# Altium PCB Mother_board06.PcbDoc (part 2 of 2)
Units mm, origin at the board's own origin, x right, y up, seen from the top; angles counter-clockwise.
Board outline 169 x 150.57 mm, 2 copper layers (Top Layer, Bottom Layer), stack 1.57 mm thick; 90 components, 81 nets, 394 pads, 249 vias.
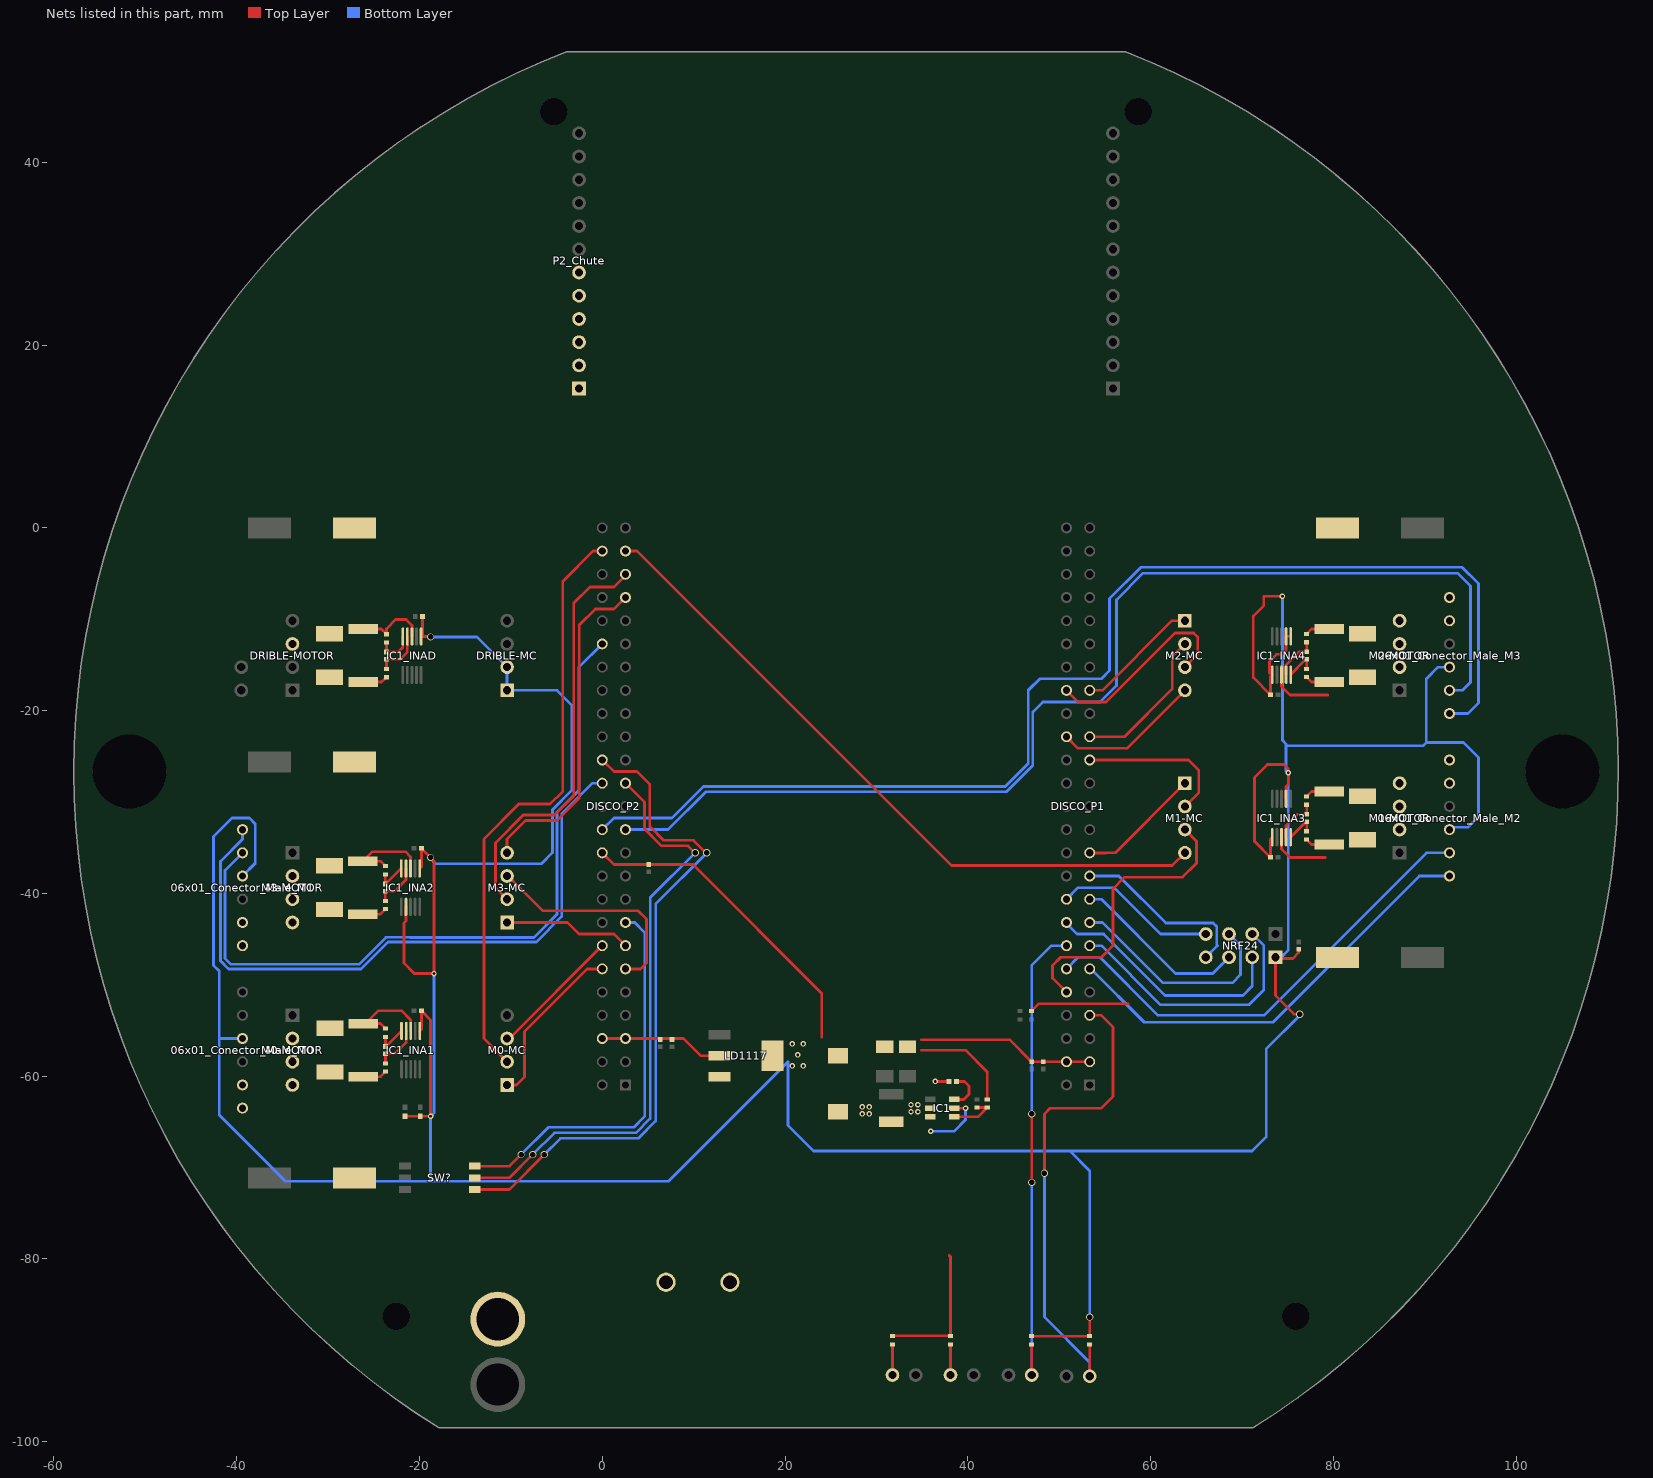
[diagram p2: the nets of this part, all layers, seen from the top]

## Via types
v1: diameter 0.8, hole 0.6, Top Layer to Bottom Layer, 218 vias
v2: diameter 0.6, hole 0.3, Top Layer to Bottom Layer, 31 vias

## Nets (pads, with @x,y where several pads share a name; then routed paths per layer and width w, separated by ;. In a path a pad name is that pad's centre, name@x,y a point inside that pad or via, vN(x,y) a via of type N, cw(c..) or ccw(c..) an arc to the next point about the centre after c; other vN are vias at no path point) (continued)
M0_MAL: DISCO_P2.14 M0-MC.1 | length 14.6
  Top Layer w0.3: M0-MC.1@-10.414,-55.88 -10.16,-55.88 DISCO_P2.14@0,-45.72
M0_MBH: DISCO_P2.48 M0-MC.2 | length 64.9
  Top Layer w0.3: M0-MC.2@-10.414,-58.42 -12.954,-55.88 -12.954,-34.036 -9.144,-30.226 -5.715,-30.226 -4.318,-28.829 -4.318,-5.842 -1.016,-2.54 DISCO_P2.48@0,-2.54
M0_MBL: DISCO_P2.12 M0-MC.3 | length 18.6
  Top Layer w0.3: M0-MC.3@-10.414,-60.96 -9.398,-60.96 -8.509,-60.071 -8.509,-55.118 -1.651,-48.26 DISCO_P2.12@0,-48.26
M1_ENCA: 06x01_Conector_Male_M1.2 DISCO_P2.40 | length 82.9
  Bottom Layer w0.3: 06x01_Conector_Male_M1.2@-39.37,-35.56 -41.283,-37.473 -41.283,-47.109 -40.632,-47.76 -26.613,-47.76 -23.665,-44.812 -21.019,-44.812 -21.012,-44.819 -20.39,-44.819 -20.383,-44.812 -20.269,-44.812 -20.262,-44.819 -7.481,-44.819 -4.945,-42.283 -4.945,-31.121 -2.54,-28.716 -2.54,-15.24 DISCO_P2.40@0,-12.7
M1_ENCB: 06x01_Conector_Male_M1.1 DISCO_P2.28 | length 72.5
  Bottom Layer w0.3: 06x01_Conector_Male_M1.1@-39.37,-33.02 -39.37,-34.075 -41.783,-36.488 -41.783,-47.371 -40.894,-48.26 -26.406,-48.26 -23.458,-45.312 -21.226,-45.312 -21.219,-45.319 -7.219,-45.319 -4.445,-42.545 -4.445,-31.329 -1.056,-27.94 DISCO_P2.28@0,-27.94
M1_MAH: DISCO_P2.43 M3-MC.0 | length 36.5
  Top Layer w0.3: M3-MC.0@-10.414,-35.56 -10.414,-34.042 -8.398,-32.026 -4.969,-32.026 -2.518,-29.575 -2.518,-10.646 -0.762,-8.89 1.27,-8.89 DISCO_P2.43@2.54,-7.62
M1_MAL: DISCO_P2.11 M3-MC.1 | length 24.5
  Top Layer w0.3: M3-MC.1@-10.351,-38.036 -6.477,-41.91 3.937,-41.91 4.826,-42.799 4.826,-47.625 4.191,-48.26 DISCO_P2.11@2.54,-48.26
M1_MBH: DISCO_P2.45 M3-MC.2 | length 45.5
  Top Layer w0.3: M3-MC.2@-10.414,-40.64 -11.684,-39.37 -11.684,-34.463 -8.647,-31.426 -5.218,-31.426 -3.118,-29.326 -3.118,-8.238 -1.357,-6.477 1.27,-6.477 2.54,-5.207 DISCO_P2.45@2.54,-5.08
M1_MBL: DISCO_P2.13 M3-MC.3 | length 14
  Top Layer w0.3: M3-MC.3@-10.414,-43.18 -3.81,-43.18 -2.54,-44.45 1.27,-44.45 DISCO_P2.13@2.54,-45.72
M2_ENCA: 06x01_Conector_Male_M2.2 DISCO_P1.12 | length 52.4
  Bottom Layer w0.3: DISCO_P1.12@50.8,-48.26 52.07,-46.99 54.483,-46.99 60.833,-53.34 72.39,-53.34 90.17,-35.56 06x01_Conector_Male_M2.2@92.71,-35.56
M2_ENCB: 06x01_Conector_Male_M2.1 DISCO_P1.11 | length 48.4
  Bottom Layer w0.3: DISCO_P1.11@53.34,-48.26 53.467,-48.26 59.309,-54.102 73.406,-54.102 89.408,-38.1 06x01_Conector_Male_M2.1@92.71,-38.1
M2_MAH: DISCO_P2.47 M1-MC.0 | length 76
  Top Layer w0.3: DISCO_P2.47@2.54,-2.54 3.81,-2.54 38.227,-36.957 62.357,-36.957 M1-MC.0@63.754,-35.56
M2_MAL: DISCO_P1.10 M1-MC.1 | length 31.8
  Top Layer w0.3: DISCO_P1.10@50.8,-50.8 49.276,-49.276 49.276,-47.879 50.165,-46.99 54.61,-46.99 55.88,-45.72 55.88,-39.497 57.15,-38.227 63.5,-38.227 65.024,-36.703 65.024,-34.29 M1-MC.1@63.754,-33.02
M2_MBH: DISCO_P1.29 M1-MC.2 | length 17
  Top Layer w0.3: DISCO_P1.29@53.34,-25.4 64.135,-25.4 65.278,-26.543 65.278,-28.956 M1-MC.2@63.754,-30.48
M2_MBL: DISCO_P1.21 M1-MC.3 | length 13.6
  Top Layer w0.3: 55.118,-35.56 56.134,-35.56 M1-MC.3@63.754,-27.94
  Top Layer w0.32: DISCO_P1.21@53.34,-35.56 55.118,-35.56
M3_ENCA: 06x01_Conector_Male_M3.2 DISCO_P2.23 | length 126.8
  Bottom Layer w0.3: DISCO_P2.23@2.54,-33.02 7.193,-33.02 11.322,-28.891 44.206,-28.891 47.117,-25.98 47.117,-20.138 48.205,-19.05 54.483,-19.05 56.261,-17.272 56.261,-7.874 59.182,-4.953 93.599,-4.953 94.996,-6.35 94.996,-16.891 94.107,-17.78 06x01_Conector_Male_M3.2@92.71,-17.78
M3_ENCB: 06x01_Conector_Male_M3.1 DISCO_P2.24 | length 134.5
  Bottom Layer w0.3: DISCO_P2.24@0,-33.02 1.27,-31.75 7.614,-31.75 11.073,-28.291 44.099,-28.291 46.617,-25.773 46.617,-17.772 47.879,-16.51 54.61,-16.51 55.499,-15.621 55.499,-7.747 58.928,-4.318 94.107,-4.318 95.885,-6.096 95.885,-19.177 94.742,-20.32 06x01_Conector_Male_M3.1@92.71,-20.32
M3_MAH: DISCO_P1.32 M2-MC.0 | length 16.1
  Top Layer w0.3: DISCO_P1.32@50.8,-22.86 52.07,-24.13 57.404,-24.13 M2-MC.0@63.754,-17.78
M3_MAL: DISCO_P1.36 M2-MC.1 | length 22.1
  Top Layer w0.3: DISCO_P1.36@50.8,-17.78 52.07,-19.05 55.118,-19.05 62.668,-11.5 64.713,-11.5 65.151,-11.938 65.151,-13.843 M2-MC.1@63.754,-15.24
M3_MBH: DISCO_P1.31 M2-MC.2 | length 16.9
  Top Layer w0.3: DISCO_P1.31@53.34,-22.86 57.15,-22.86 62.357,-17.653 62.357,-14.097 M2-MC.2@63.754,-12.7 M2-MC.2@63.754,-12.553
M3_MBL: DISCO_P1.35 M2-MC.3 | length 13.6
  Top Layer w0.3: DISCO_P1.35@53.34,-17.78 54.737,-17.78 62.357,-10.16 M2-MC.3@63.754,-10.16
MA_M0: 06x01_Conector_Male_M0.5 M0-MOTOR.1
MA_M1: 06x01_Conector_Male_M1.5 M3-MOTOR.1
MA_M2: 06x01_Conector_Male_M2.5 M1-MOTOR.1
MA_M3: 06x01_Conector_Male_M3.5 M2-MOTOR.1
MB_M0: 06x01_Conector_Male_M0.6 M0-MOTOR.0
MB_M1: 06x01_Conector_Male_M1.6 M3-MOTOR.0
MB_M2: 06x01_Conector_Male_M2.6 M1-MOTOR.0
MB_M3: 06x01_Conector_Male_M3.6 M2-MOTOR.0
MISO: DISCO_P1.18 NRF24.0 | length 17.9
  Bottom Layer w0.3: DISCO_P1.18@50.8,-40.64 52.07,-39.37 56.007,-39.37 61.087,-44.45 NRF24.0@66.04,-44.45
MOSI: DISCO_P1.17 NRF24.5 | length 19.3
  Bottom Layer w0.3: DISCO_P1.17@53.34,-40.64 54.61,-40.64 62.738,-48.768 66.802,-48.768 NRF24.5@68.58,-46.99
NetBAT_0: BAT.0 SW.0
NetC1_1: C1.1 IC1.6 | length 4.3
  Top Layer w0.3: IC1.6@38.511,-62.55 39.558,-62.55 40.132,-61.976 40.132,-61.087 39.624,-60.579 C1.1@38.754,-60.579
NetC1_2: C1.2 IC1.2 L1.1 | length 1.5
  Top Layer w0.3: v2(36.449,-60.579) C1.2@37.954,-60.579
  other v2: 28.448,-64.135 29.21,-64.135 33.782,-63.881 34.544,-63.881 28.448,-63.373 29.21,-63.373 33.782,-63.119 34.544,-63.119
NetC1_INA1_1: C1_INA1.1 IC1_INA1.10 R2_INA1.1 | length 3.5
  Top Layer w0.3: R2_INA1.1@-23.717,-55.696 C1_INA1.1@-23.717,-56.75 -23.673,-56.75 IC1_INA1.10@-21.973,-55.05
NetC1_INA1_2: C1_INA1.2 IC1_INA1.9 R3_INA1.1 | length 5.1
  Top Layer w0.3: R3_INA1.1@-23.717,-58.604 C1_INA1.2@-23.717,-57.55 -22.688,-57.55 -21.463,-56.324 IC1_INA1.9@-21.463,-55.05
NetC1_INA2_1: C1_INA2.1 IC1_INA2.10 R2_INA2.1 | length 3.5
  Top Layer w0.3: R2_INA2.1@-23.742,-37.916 C1_INA2.1@-23.742,-38.97 -22.042,-37.27 IC1_INA2.10@-21.997,-37.27
NetC1_INA2_2: 0R.1 C1_INA2.2 IC1_INA2.9 | length 5.1
  Top Layer w0.3: 0R.1@-23.742,-40.824 C1_INA2.2@-23.742,-39.77 -22.752,-39.77 -21.487,-38.505 IC1_INA2.9@-21.487,-37.27
NetC1_INA3_1: C1_INA3.1 IC1_INA3.10 R2_INA3.1 | length 3.5
  Top Layer w0.3: IC1_INA3.10@75.337,-33.85 77.037,-32.15 C1_INA3.1@77.082,-32.15 R2_INA3.1@77.082,-33.205
NetC1_INA3_2: C1_INA3.2 IC1_INA3.9 R3_INA3.1 | length 5.1
  Top Layer w0.3: IC1_INA3.9@74.827,-33.85 74.827,-32.576 76.053,-31.35 C1_INA3.2@77.082,-31.35 R3_INA3.1@77.082,-30.295
NetC1_INA4_1: C1_INA4.1 IC1_INA4.10 R2_INA4.1 | length 3.5
  Top Layer w0.3: IC1_INA4.10@75.327,-16.07 77.027,-14.37 C1_INA4.1@77.082,-14.37 R2_INA4.1@77.082,-15.425
NetC1_INA4_2: C1_INA4.2 IC1_INA4.9 R3_INA4.1 | length 5
  Top Layer w0.3: IC1_INA4.9@74.827,-16.07 74.827,-15.013 76.27,-13.57 C1_INA4.2@77.082,-13.57 R3_INA4.1@77.082,-12.516
NetC1_INAD_1: C1_INAD.1 IC1_INAD.10 R2_INAD.1 | length 4.2
  Top Layer w0.3: R2_INAD.1@-23.622,-12.536 C1_INAD.1@-23.622,-13.59 -22.353,-13.59 -21.828,-13.065 IC1_INAD.10@-21.828,-11.891
NetC1_INAD_2: C1_INAD.2 IC1_INAD.9 R3_INAD.1 | length 5.4
  Top Layer w0.3: R3_INAD.1@-23.622,-15.445 C1_INAD.2@-23.622,-14.39 -22.137,-14.39 -21.328,-13.581 IC1_INAD.9@-21.328,-11.891
NetC1_M0_2: FM_M0.1 M0-MOTOR.2
NetC1_M1_2: FM_M1.1 M3-MOTOR.2
NetC1_M2_2: FM_M2.1 M1-MOTOR.2
NetC1_M3_2: FM_M3.1 M2-MOTOR.2
NetCON_DM_1: DF.1 DRIBLE-MOTOR.1
NetDF_2: DF.2 R1_INAD.1 R3_INAD.2 | length 2.8
  Top Layer w0.3: R1_INAD.1@-26.162,-16.87 -24.147,-16.87 R3_INAD.2@-23.622,-16.345
NetFM_M0_2: FM_M0.2 R1_INA1.1 R3_INA1.2 | length 2.7
  Top Layer w0.3: R1_INA1.1@-26.171,-60.05 -24.263,-60.05 R3_INA1.2@-23.717,-59.504
NetFM_M1_2: 0R.2 FM_M1.2 R1_INA2.1 | length 2.7
  Top Layer w0.3: R1_INA2.1@-26.196,-42.27 -24.287,-42.27 0R.2@-23.742,-41.724
NetFM_M2_2: FM_M2.2 R1_INA3.1 R3_INA3.2 | length 2.7
  Top Layer w0.3: R3_INA3.2@77.082,-29.395 77.627,-28.85 R1_INA3.1@79.536,-28.85
NetFM_M3_2: FM_M3.2 R1_INA4.1 R3_INA4.2 | length 2.7
  Top Layer w0.3: R3_INA4.2@77.082,-11.616 77.627,-11.07 R1_INA4.1@79.536,-11.07
NetIC1_4: IC1.4 R1.1 R2.2 | length 5.1
  Top Layer w0.3: IC1.4@38.511,-64.45 41.117,-64.45 R1.1@42.125,-63.442 R2.2@41.021,-63.442
NetLED1_2: LED1.2 RL1.2 | length 3.3
  Top Layer w0.3: LED1.2@31.75,-92.71 RL1.2@31.75,-89.4
NetLED2_2: LED2.2 RL2.2 | length 3.3
  Top Layer w0.3: LED2.2@38.1,-92.71 RL2.2@38.1,-89.4
NRF_CE: DISCO_P1.13 NRF24.2 | length 29
  Bottom Layer w0.3: DISCO_P1.13@53.34,-45.72 54.61,-45.72 61.087,-52.197 70.739,-52.197 72.39,-50.546 72.39,-45.72 NRF24.2@71.12,-44.45
NRF_CS#: DISCO_P1.16 NRF24.6 | length 27.3
  Bottom Layer w0.3: DISCO_P1.16@50.8,-43.18 50.8,-43.307 51.943,-44.45 54.864,-44.45 61.595,-51.181 70.104,-51.181 71.12,-50.165 NRF24.6@71.12,-46.99
NRF_IRQ: DISCO_P1.19 NRF24.4 | length 20.1
  Bottom Layer w0.3: DISCO_P1.19@53.34,-38.1 56.515,-38.1 61.665,-43.25 66.848,-43.25 67.24,-43.642 67.24,-45.65 67.31,-45.72 NRF24.4@66.04,-46.99
S1: DISCO_P1.7 RS1.1 SEN1.2 | length 53.2
  Top Layer w0.3: v1(48.387,-70.612) 48.387,-64.135 49.022,-63.5 54.61,-63.5 55.88,-62.23 55.88,-54.61 54.61,-53.34 DISCO_P1.7@53.34,-53.34 ; SEN1.2@53.34,-92.837 RS1.1@53.34,-89.35
  Bottom Layer w0.3: v1(48.387,-70.612) 48.387,-86.36 53.34,-91.313 SEN1.2@53.34,-92.837
S2: DISCO_P1.14 RS2.1 SEN2.2 | length 52.9
  Top Layer w0.3: SEN2.2@46.99,-92.71 RS2.1@46.99,-89.35 ; v1(46.99,-71.628) v1@46.99,-64.262
  Bottom Layer w0.3: SEN2.2@46.99,-92.71 46.863,-92.583 46.99,-92.456 v1(46.99,-71.628) ; v1(46.99,-64.135) 46.99,-47.879 49.149,-45.72 DISCO_P1.14@50.8,-45.72
SCK: DISCO_P1.15 NRF24.1 | length 24.6
  Bottom Layer w0.3: DISCO_P1.15@53.34,-43.18 54.737,-43.18 61.341,-49.784 68.961,-49.784 69.85,-48.895 69.85,-45.72 NRF24.1@68.58,-44.45
SW1: DISCO_P2.15 SW?.6 | length 43.6
  Top Layer w0.3: SW?.6@-13.97,-69.85 -10.16,-69.85 v1(-8.89,-68.58)
  Bottom Layer w0.3: v1(-8.89,-68.58) -5.912,-65.602 3.44,-65.602 4.642,-64.4 4.642,-44.266 3.556,-43.18 DISCO_P2.15@2.54,-43.18
SW2: DISCO_P2.27 SW?.5 | length 65.5
  Top Layer w0.3: SW?.5@-13.97,-71.12 -10.16,-71.12 v1(-7.62,-68.58) ; DISCO_P2.27@2.54,-27.94 4.607,-30.007 4.607,-32.928 6.477,-34.798 9.398,-34.798 v1(10.16,-35.56)
  Bottom Layer w0.3: v1(-7.62,-68.58) -5.242,-66.202 3.688,-66.202 5.242,-64.648 5.242,-40.478 v1(10.16,-35.56)
SW3: DISCO_P2.30 SW?.4 | length 72.9
  Top Layer w0.3: SW?.4@-13.97,-72.39 -10.16,-72.39 v1(-6.35,-68.58) ; DISCO_P2.30@0,-25.4 1.27,-26.67 3.81,-26.67 5.207,-28.067 5.207,-32.679 6.726,-34.198 10,-34.198 11.362,-35.56 v1(11.43,-35.56)
  Bottom Layer w0.3: v1(-6.35,-68.58) -4.572,-66.802 3.937,-66.802 5.842,-64.897 5.842,-41.148 v1(11.43,-35.56)
"V+ BAT_INA1": C4.2 CD.1 CM1_M0.1 CM1_M1.1 CM1_M2.1 CM1_M3.1 IC1.3 IC1.5 IC1_INA1.8 IC1_INA2.8 IC1_INA3.8 IC1_INA4.8 IC1_INAD.8 LD1117.3 P2_Chute.1 P2_Chute.2 P2_Chute.3 P2_Chute.4 P2_Chute.5 P2_Chute.6 R1_INA1.2 R1_INA2.2 R1_INA3.2 R1_INA4.2 R1_INAD.2 R2_INA1.2 R2_INA2.2 R2_INA3.2 R2_INA4.2 R2_INAD.2 R3.2 RL1.1 RL2.1 SW.1 | length 78.9
  Top Layer w0.3: R1_INAD.2@-26.162,-11.07 -24.188,-11.07 R2_INAD.2@-23.622,-11.636 -23.622,-11.049 -22.606,-10.033 -21.463,-10.033 -20.828,-10.668 IC1_INAD.8@-20.828,-11.891 ; R2_INA2.2@-23.742,-37.016 -24.287,-36.47 R1_INA2.2@-26.196,-36.47 -25.159,-35.433 -21.55,-35.433 -20.987,-35.996 IC1_INA2.8@-20.987,-37.27 ; R2_INA1.2@-23.717,-54.796 -24.263,-54.25 -25.908,-54.25 -24.49,-52.832 -21.971,-52.832 -20.963,-53.84 IC1_INA1.8@-20.963,-55.05 ; RL1.1@31.75,-88.4 38.1,-88.4 38.1,-79.756 37.973,-79.629 ; IC1.5@38.511,-63.5 v2(39.751,-63.5) ; R3.2@46.99,-52.89 47.81,-52.07 57.531,-52.07 ; IC1_INA3.8@74.327,-33.85 74.327,-35.124 75.271,-36.068 79.121,-36.068 ; IC1_INA4.8@74.327,-16.07 74.327,-17.344 75.271,-18.288 79.375,-18.288 ; R2_INA3.2@77.082,-34.105 77.627,-34.65 R1_INA3.2@79.536,-34.65 ; R2_INA4.2@77.082,-16.325 77.627,-16.87 R1_INA4.2@79.536,-16.87
  Bottom Layer w0.3: v2(35.941,-66.04) 38.481,-66.04 39.751,-64.77 v2(39.751,-63.5)
VCC: 06x01_Conector_Male_M0.3 06x01_Conector_Male_M1.3 06x01_Conector_Male_M2.3 06x01_Conector_Male_M3.3 C2.2 C2_INA1.1 C2_INA2.1 C2_INA3.1 C2_INA4.1 C2_INAD.1 C3.2 DISCO_P1.3 DISCO_P1.4 DISCO_P2.5 DISCO_P2.6 DISCO_P2.22 DRIBLE-MC.2 DRIBLE-MC.3 IC1_INA1.6 IC1_INA2.2 IC1_INA2.6 IC1_INA3.2 IC1_INA3.6 IC1_INA4.1 IC1_INA4.2 IC1_INA4.6 IC1_INAD.6 L1.2 LD1117.2 LD1117.4 MC_C1.2 MC_C2.2 MC_C3.1 MC_C4.2 MC_C5.2 MC_R1.2 MC_R2.2 NRF24.7 NRF_C1.1 R1.2 RS1.2 RS2.2 | length 555.2
  Top Layer w0.3: MC_R2.2@-21.59,-64.381 MC_R1.2@-19.939,-64.381 -18.804,-64.381 v2(-18.796,-64.389) -18.796,-53.843 C2_INA1.1@-19.793,-52.846 -19.793,-54.88 IC1_INA1.6@-19.963,-55.05 ; IC1_INA2.2@-21.487,-41.47 -21.487,-43.033 -21.705,-43.25 -21.705,-47.637 -20.574,-48.768 v2(-18.415,-48.768) -18.415,-36.444 v1(-18.791,-36.068) C2_INA2.1@-19.793,-35.066 -19.793,-37.086 IC1_INA2.6@-19.977,-37.27 ; C2_INAD.1@-19.666,-9.687 -19.666,-11.729 IC1_INAD.6@-19.828,-11.891 v1@-19.097,-11.891 ; DISCO_P2.6@0,-55.88 DISCO_P2.5@2.54,-55.88 8.89,-55.88 10.781,-57.771 LD1117.2@12.827,-57.771 ; DISCO_P2.22@0,-35.56 1.27,-36.83 MC_C1.2@5.08,-36.83 9.906,-36.83 24.003,-50.927 24.003,-55.753 ; 34.925,-57.15 39.751,-57.15 42.125,-59.524 R1.2@42.125,-62.542 ; 34.925,-56.007 44.577,-56.007 MC_C3.1@46.99,-58.42 MC_C2.2@48.26,-58.42 DISCO_P1.4@50.8,-58.42 DISCO_P1.3@53.34,-58.42 ; RS2.2@46.99,-88.45 RS1.2@53.34,-88.45 v1(53.34,-86.36) ; IC1_INA4.6@73.22,-16.07 73.017,-15.867 73.017,-14.613 73.787,-13.843 74.422,-13.843 74.827,-13.438 IC1_INA4.2@74.827,-11.87 IC1_INA4.1@75.327,-11.87 ; IC1_INA3.6@73.327,-33.85 73.133,-34.044 C2_INA3.1@73.133,-36.054 71.374,-34.295 71.374,-27.305 72.771,-25.908 74.579,-25.908 75.072,-26.401 75.057,-26.416 v2(75.057,-26.797) 75.057,-28.037 75.072,-28.052 74.827,-28.297 IC1_INA3.2@74.827,-29.65 ; IC1_INA4.6@73.327,-16.07 73.133,-16.264 C2_INA4.1@73.133,-18.274 71.247,-16.388 71.247,-9.652 72.39,-8.509 72.39,-7.493 v2(74.422,-7.493) ; NRF_C1.1@76.2,-46.12 76.2,-46.482 75.565,-47.117 73.787,-47.117 NRF24.7@73.66,-46.99 73.66,-51.181 75.692,-53.213 v1(76.327,-53.213)
  Bottom Layer w0.3: 06x01_Conector_Male_M0.3@-39.37,-55.88 -41.91,-55.88 ; 06x01_Conector_Male_M1.3@-39.37,-38.1 -37.973,-36.703 -37.973,-32.385 -38.608,-31.75 -40.513,-31.75 -42.545,-33.782 -42.545,-47.879 -41.91,-48.514 -41.91,-55.88 ; v1(-18.796,-11.938) -13.716,-11.938 DRIBLE-MC.2@-10.414,-15.24 DRIBLE-MC.3@-10.414,-17.78 -4.953,-17.78 -3.302,-19.431 -3.302,-28.702 -5.445,-30.845 -5.445,-35.544 -6.661,-36.76 -18.231,-36.76 -18.791,-36.2 v1(-18.791,-36.068) ; v2(-18.415,-48.768) -18.415,-64.008 v2(-18.796,-64.389) -18.796,-71.501 ; v1(53.34,-86.36) 53.34,-70.358 51.181,-68.199 ; NRF24.7@73.66,-46.99 74.295,-46.99 75.057,-46.228 v2(75.057,-26.797) 74.827,-26.567 74.827,-23.854 ; v2(74.422,-7.493) 74.422,-23.243 74.827,-23.649 74.827,-23.854 ; v1@76.327,-53.34 72.644,-57.023 72.644,-66.675 71.12,-68.199 51.181,-68.199 ; 06x01_Conector_Male_M2.3@92.71,-33.02 92.964,-32.766 94.742,-32.766 95.885,-31.623 95.885,-25.146 94.234,-23.495 90.17,-23.495 ; 06x01_Conector_Male_M3.3@92.71,-15.24 91.44,-15.24 90.17,-16.51 90.17,-23.495 ; -41.91,-55.88 -41.91,-64.262 -34.671,-71.501 -18.796,-71.501 ; -18.796,-71.501 7.239,-71.501 20.32,-58.42 20.32,-65.405 23.114,-68.199 51.181,-68.199 ; 74.827,-23.854 89.811,-23.854 90.17,-23.495
  other v2: 20.781,-58.877 21.981,-58.877 21.381,-57.677 20.781,-56.477 21.981,-56.477
pads on no net: DISCO_P1.6 DISCO_P1.9 DISCO_P1.20 DISCO_P1.24 DISCO_P1.25 DISCO_P1.26 DISCO_P1.27 DISCO_P1.28 DISCO_P1.30 DISCO_P1.33 DISCO_P1.34 DISCO_P1.37 DISCO_P1.38 DISCO_P1.41 DISCO_P1.43 DISCO_P1.44 DISCO_P1.45 DISCO_P1.46 DISCO_P1.47 DISCO_P1.48 DISCO_P2.3 DISCO_P2.4 DISCO_P2.7 DISCO_P2.8 DISCO_P2.9 DISCO_P2.10 DISCO_P2.16 DISCO_P2.17 DISCO_P2.18 DISCO_P2.21 DISCO_P2.29 DISCO_P2.31 DISCO_P2.32 DISCO_P2.33 DISCO_P2.34 DISCO_P2.35 DISCO_P2.36 DISCO_P2.37 DISCO_P2.38 DISCO_P2.39 DISCO_P2.41 DISCO_P2.42 DISCO_P2.44 IC1_INA1.3 IC1_INA2.3 IC1_INA3.3 IC1_INA4.3 IC1_INAD.3

## Polygon pours and split planes (outlines as drawn)
GND on Top Layer "Top Layer-No Net" (solid, remove dead copper, pour order 123): 142.319,59.413 136.604,53.698 136.604,-109.37 -75.994,-109.37 -82.598,-102.766 -70.533,-90.701 -70.533,56.365
VCC on Top Layer "Top Layer-No Net" (solid, remove dead copper, pour order 76): 35.179,-55.372 35.179,-58.42 27.94,-58.42 27.94,-59.69 16.383,-59.69 16.383,-58.801 11.049,-58.801 11.049,-56.388 16.383,-56.388 16.383,-55.372
"V+ BAT_INA1" on Top Layer "Top Layer-No Net" (solid, remove dead copper, pour order 68): 36.83,-63.944 29.972,-63.945 29.972,-68.89 36.83,-68.89
"V+ BAT_INA1" on Top Layer "Top Layer-No Net" (solid, remove dead copper, pour order 44): 62.357,-41.91 68.478,-41.91 69.875,-40.64 77.47,-40.64 77.47,-47.74 78.117,-48.387 83.82,-48.387 83.82,-45.722 83.691,-45.593 81.672,-45.593 81.28,-45.2 81.28,-41.392 81.278,-33.782 77.94,-33.782 77.94,-37.298 77.179,-38.1 70.782,-38.1 69.85,-37.084 69.834,-37.084 69.834,-24.143 71.117,-22.86 78.738,-22.86 81.278,-20.32 81.278,-16.612 77.468,-16.612 77.468,-19.433 76.543,-20.358 69.85,-20.411 69.85,-2.546 71.126,-1.27 83.818,-1.27 83.818,1.27 68.056,1.27 66.038,-0.748 66.038,-38.1 64.77,-39.368 58.42,-39.37 57.15,-40.64 57.099,-68.656 48.284,-77.47 35.558,-77.47 35.558,-68.89 31.748,-68.89 31.748,-77.47 16.508,-77.47 16.508,-65.149 14.859,-63.5 14.859,-58.928 10.795,-58.928 10.795,-63.5 -12.702,-63.5 -13.972,-62.23 -13.972,-30.48 -13.972,8.89 -12.702,10.16 -0.002,10.16 -0.002,29.21 -5.082,29.21 -5.082,15.35 -6.477,13.97 -15.242,13.97 -17.782,11.43 -17.79,1.27 -21.59,1.27 -29.276,1.27 -29.276,-1.27 -19.05,-1.27 -17.774,-2.546 -17.772,-3.802 -19.05,-5.08 -24.13,-5.08 -27.94,-8.89 -27.94,-11.522 -24.132,-11.522 -24.132,-8.763 -22.989,-7.62 -19.05,-7.62 -17.782,-8.89 -17.782,-24.13 -30.482,-24.13 -30.482,-27.178 -18.796,-27.178 -17.782,-28.192 -17.782,-29.21 -19.052,-30.48 -24.132,-30.48 -26.672,-33.02 -27.942,-33.02 -27.942,-34.29 -27.942,-38.152 -24.132,-38.1 -24.132,-34.342 -22.81,-33.02 -19.052,-33.02 -17.782,-34.342 -17.782,-49.53 -19.052,-49.53 -24.132,-49.53 -26.672,-52.07 -27.942,-52.07 -27.942,-53.34 -27.942,-55.88 -24.132,-55.88 -24.132,-53.286 -22.916,-52.07 -19.052,-52.07 -17.782,-53.34 -17.782,-64.264 -19.558,-66.04 -27.94,-66.04 -30.482,-68.582 -30.482,-72.39 -24.132,-72.39 -24.132,-70.36 -22.817,-69.045 -15.239,-69.045 -13.504,-67.31 10.16,-67.31 11.429,-68.579 11.428,-85.09 16.508,-85.09 16.508,-81.28 50.881,-81.28 60.96,-71.167 60.96,-44.45 60.96,-43.307
NetFM_M2_2 on Top Layer "Top Layer-No Net" (solid, remove dead copper, pour order 120): 85.09,-30.48 85.09,-27.94 77.597,-27.94 77.597,-29.718 80.391,-29.718 80.645,-29.718 81.407,-30.48
NetFM_M3_2 on Top Layer "Top Layer-No Net" (solid, remove dead copper, pour order 122): 85.09,-12.7 85.09,-10.16 77.597,-10.16 77.597,-11.938 80.391,-11.938 80.645,-11.938 81.407,-12.7
NetBAT_0 on Top Layer "Top Layer-No Net" (solid, remove dead copper, pour order 64): 10.16,-80.137 10.16,-85.09 -2.54,-85.09 -7.62,-90.17 -15.24,-90.17 -15.24,-80.137
GND on Top Layer "Top Layer-No Net" (solid, remove dead copper, pour order 66): 36.83,-62.992 32.936,-62.992 32.936,-63.5 29.337,-63.5 29.337,-58.674 36.83,-58.674
NetFM_M0_2 on Top Layer "Top Layer-No Net" (solid, remove dead copper, pour order 34): -31.75,-58.166 -24.263,-58.166 -24.263,-61.214 -31.75,-61.214
NetC1_2 on Top Layer "Top Layer-No Net" (solid, remove dead copper, pour order 27): 36.83,-62.738 36.83,-64.262 33.401,-64.262 33.401,-62.738
NetC1_2 on Top Layer "Top Layer-No Net" (solid, remove dead copper, pour order 26): 29.845,-62.611 29.845,-65.151 24.257,-65.151 24.257,-62.611
MA_M2 on Top Layer "Top Layer-No Net" (solid, remove dead copper, pour order 21): 93.98,-26.67 91.44,-26.67 88.9,-29.21 86.106,-29.21 86.106,-31.75 88.9,-31.75 91.44,-29.21 93.98,-29.21
MB_M2 on Top Layer "Top Layer-No Net" (solid, remove dead copper, pour order 22): 93.98,-24.13 91.44,-24.13 88.9,-26.67 86.106,-26.67 86.106,-29.21 88.9,-29.21 91.44,-26.67 93.98,-26.67
MA_M3 on Top Layer "Top Layer-No Net" (solid, remove dead copper, pour order 23): 93.98,-8.89 91.44,-8.89 88.9,-11.43 86.106,-11.43 86.106,-13.97 88.9,-13.97 91.44,-11.43 93.98,-11.43
MB_M3 on Top Layer "Top Layer-No Net" (solid, remove dead copper, pour order 24): 93.98,-6.35 91.44,-6.35 88.9,-8.89 86.106,-8.89 86.106,-11.43 88.9,-11.43 91.44,-8.89 93.98,-8.89
MA_M1 on Top Layer "Top Layer-No Net" (solid, remove dead copper, pour order 13): -40.64,-44.45 -40.64,-41.91 -38.1,-41.91 -35.56,-39.37 -32.639,-39.37 -32.639,-41.91 -35.56,-41.91 -38.1,-44.45
MB_M1 on Top Layer "Top Layer-No Net" (solid, remove dead copper, pour order 12): -40.64,-46.99 -40.64,-44.45 -38.1,-44.45 -35.56,-41.91 -32.639,-41.91 -32.639,-44.45 -35.56,-44.45 -38.1,-46.99
MA_M0 on Top Layer "Top Layer-No Net" (solid, remove dead copper, pour order 11): -40.64,-62.23 -40.64,-59.69 -38.1,-59.69 -35.56,-57.15 -32.639,-57.15 -32.639,-59.69 -35.56,-59.69 -38.1,-62.23
MB_M0 on Top Layer "Top Layer-No Net" (solid, remove dead copper, pour order 10): -40.64,-64.77 -40.64,-62.23 -38.1,-62.23 -35.56,-59.69 -32.639,-59.69 -32.639,-62.23 -35.56,-62.23 -38.1,-64.77
NetC1_M1_2 on Top Layer "Top Layer-No Net" (solid, remove dead copper, pour order 14): -35.56,-36.83 -35.56,-39.37 -33.02,-39.37 -32.639,-38.989 -31.75,-38.1 -28.194,-38.1 -28.194,-35.56 -31.75,-35.56 -33.02,-36.83
NetC1_M0_2 on Top Layer "Top Layer-No Net" (solid, remove dead copper, pour order 15): -35.56,-54.61 -35.56,-57.15 -33.02,-57.15 -32.639,-56.769 -31.75,-55.88 -28.194,-55.88 -28.194,-53.34 -31.75,-53.34 -33.02,-54.61
NetC1_M2_2 on Top Layer "Top Layer-No Net" (solid, remove dead copper, pour order 20): 88.9,-31.75 88.9,-34.29 86.36,-34.29 85.09,-35.56 81.407,-35.56 81.407,-33.02 85.09,-33.02 86.36,-31.75
NetC1_M3_2 on Top Layer "Top Layer-No Net" (solid, remove dead copper, pour order 25): 88.9,-13.97 88.9,-16.51 85.852,-16.51 84.582,-17.78 81.407,-17.78 81.407,-15.24 85.09,-15.24 86.36,-13.97
NetCON_DM_1 on Top Layer "Top Layer-No Net" (solid, remove dead copper, pour order 1): -28.575,-10.16 -31.75,-10.16 -33.02,-11.43 -35.179,-11.43 -35.179,-13.97 -33.02,-13.97 -31.75,-12.7 -28.575,-12.7
DB on Top Layer "Top Layer-No Net" (solid, remove dead copper, pour order 2): -40.64,-19.05 -33.02,-19.05 -33.02,-16.51 -40.64,-16.51
DA on Top Layer "Top Layer-No Net" (solid, remove dead copper, pour order 3): -40.64,-16.51 -33.02,-16.51 -33.02,-13.97 -40.64,-13.97
NetFM_M1_2 on Top Layer "Top Layer-No Net" (solid, remove dead copper, pour order 114): -24.257,-41.402 -24.257,-43.18 -31.75,-43.18 -31.75,-40.64 -28.194,-40.64 -27.432,-41.402
NetFM_M0_2 on Top Layer "Top Layer-No Net" (solid, remove dead copper, pour order 118): -24.232,-59.182 -24.232,-60.96 -31.725,-60.96 -31.725,-58.42 -28.169,-58.42 -27.407,-59.182
NetDF_2 on Top Layer "Top Layer-No Net" (solid, remove dead copper, pour order 0): -31.716,-15.24 -31.716,-17.78 -24.223,-17.78 -24.223,-16.002 -27.017,-16.002 -27.271,-16.002 -28.033,-15.24
MA_M3 on Bottom Layer "Top Layer-No Net" (solid, remove dead copper, pour order 17): 93.98,-8.89 91.44,-8.89 88.9,-11.43 86.106,-11.43 86.106,-13.97 88.9,-13.97 91.44,-11.43 93.98,-11.43
MB_M3 on Bottom Layer "Top Layer-No Net" (solid, remove dead copper, pour order 16): 93.98,-6.35 91.44,-6.35 88.9,-8.89 86.106,-8.89 86.106,-11.43 88.9,-11.43 91.44,-8.89 93.98,-8.89
MA_M2 on Bottom Layer "Top Layer-No Net" (solid, remove dead copper, pour order 19): 93.98,-26.67 91.44,-26.67 88.9,-29.21 86.106,-29.21 86.106,-31.75 88.9,-31.75 91.44,-29.21 93.98,-29.21
MB_M2 on Bottom Layer "Top Layer-No Net" (solid, remove dead copper, pour order 18): 93.98,-24.13 91.44,-24.13 88.9,-26.67 86.106,-26.67 86.106,-29.21 88.9,-29.21 91.44,-26.67 93.98,-26.67
MB_M1 on Bottom Layer "Top Layer-No Net" (solid, remove dead copper, pour order 7): -40.64,-46.99 -40.64,-44.45 -38.1,-44.45 -35.56,-41.91 -32.639,-41.91 -32.639,-44.45 -35.56,-44.45 -38.1,-46.99
DA on Bottom Layer "Top Layer-No Net" (solid, remove dead copper, pour order 5): -40.64,-13.972 -33.02,-13.972 -33.02,-16.512 -40.64,-16.512
GND on Bottom Layer "Top Layer-No Net" (solid, remove dead copper, pour order 112): 145.034,64.008 145.034,-112.522 145.288,-112.776 140.335,-117.729 -77.216,-117.729 -77.216,50.038 -67.818,59.436
NetBAT_0 on Bottom Layer "Top Layer-No Net" (solid, remove dead copper, pour order 28): 10.16,-80.01 10.16,-85.09 2.54,-85.09 -2.54,-85.09 -7.62,-90.17 -15.24,-90.17 -15.24,-82.55 -15.24,-80.01
NetC1_2 on Bottom Layer "Top Layer-No Net" (solid, remove dead copper, pour order 70): 37.211,-59.69 37.211,-61.341 35.306,-61.341 35.306,-64.559 27.94,-64.559 27.94,-62.992 33.401,-62.992 33.401,-59.69 37.084,-59.69
VCC on Bottom Layer "Top Layer-No Net" (solid, remove dead copper, pour order 80): 22.86,-54.61 19.05,-54.61 19.05,-60.96 22.86,-60.96
MA_M1 on Bottom Layer "Top Layer-No Net" (solid, remove dead copper, pour order 6): -40.64,-44.45 -40.64,-41.91 -38.1,-41.91 -35.56,-39.37 -32.639,-39.37 -32.639,-41.91 -35.56,-41.91 -38.1,-44.45
MA_M0 on Bottom Layer "Top Layer-No Net" (solid, remove dead copper, pour order 8): -40.64,-62.23 -40.64,-59.69 -38.1,-59.69 -35.56,-57.15 -32.639,-57.15 -32.639,-59.69 -35.56,-59.69 -38.1,-62.23
MB_M0 on Bottom Layer "Top Layer-No Net" (solid, remove dead copper, pour order 9): -40.64,-64.77 -40.64,-62.23 -38.1,-62.23 -35.56,-59.69 -32.639,-59.69 -32.639,-62.23 -35.56,-62.23 -38.1,-64.77
DB on Bottom Layer "Top Layer-No Net" (solid, remove dead copper, pour order 4): -40.64,-19.05 -33.02,-19.05 -33.02,-16.51 -40.64,-16.51

## Keep-outs
Keep-Out Layer:
  the board outline again, w0.05

## Silkscreen, mask and mechanical layers (free items; w line width, h text height)
Top Overlay:
  text "ROBOIME2017" at 23.876,0.762 h4.5 r270
  text "100nF" at 5.715,-36.449 h1.2 r270
  text "100nF" at 46.355,-57.785 h1.2 r270
  text "100nF" at 56.388,-58.039 h1.2 r270
  text "330R" at 38.989,-89.281 h2
  text "330R" at 26.543,-89.408 h2
Bottom Overlay:
  text "Speacial thanks to: / Prof Paulo Rosa / (LR)^2 / De Lima" at 1.524,42.672 h1.52 r180
  text "SE/3 IME" at 1.27,30.861 h2 r180
  text "IME18 IME19" at 1.016,26.289 h2 r180